# KiCad board F02-Func-Decoder-p.kicad_pcb (continued)
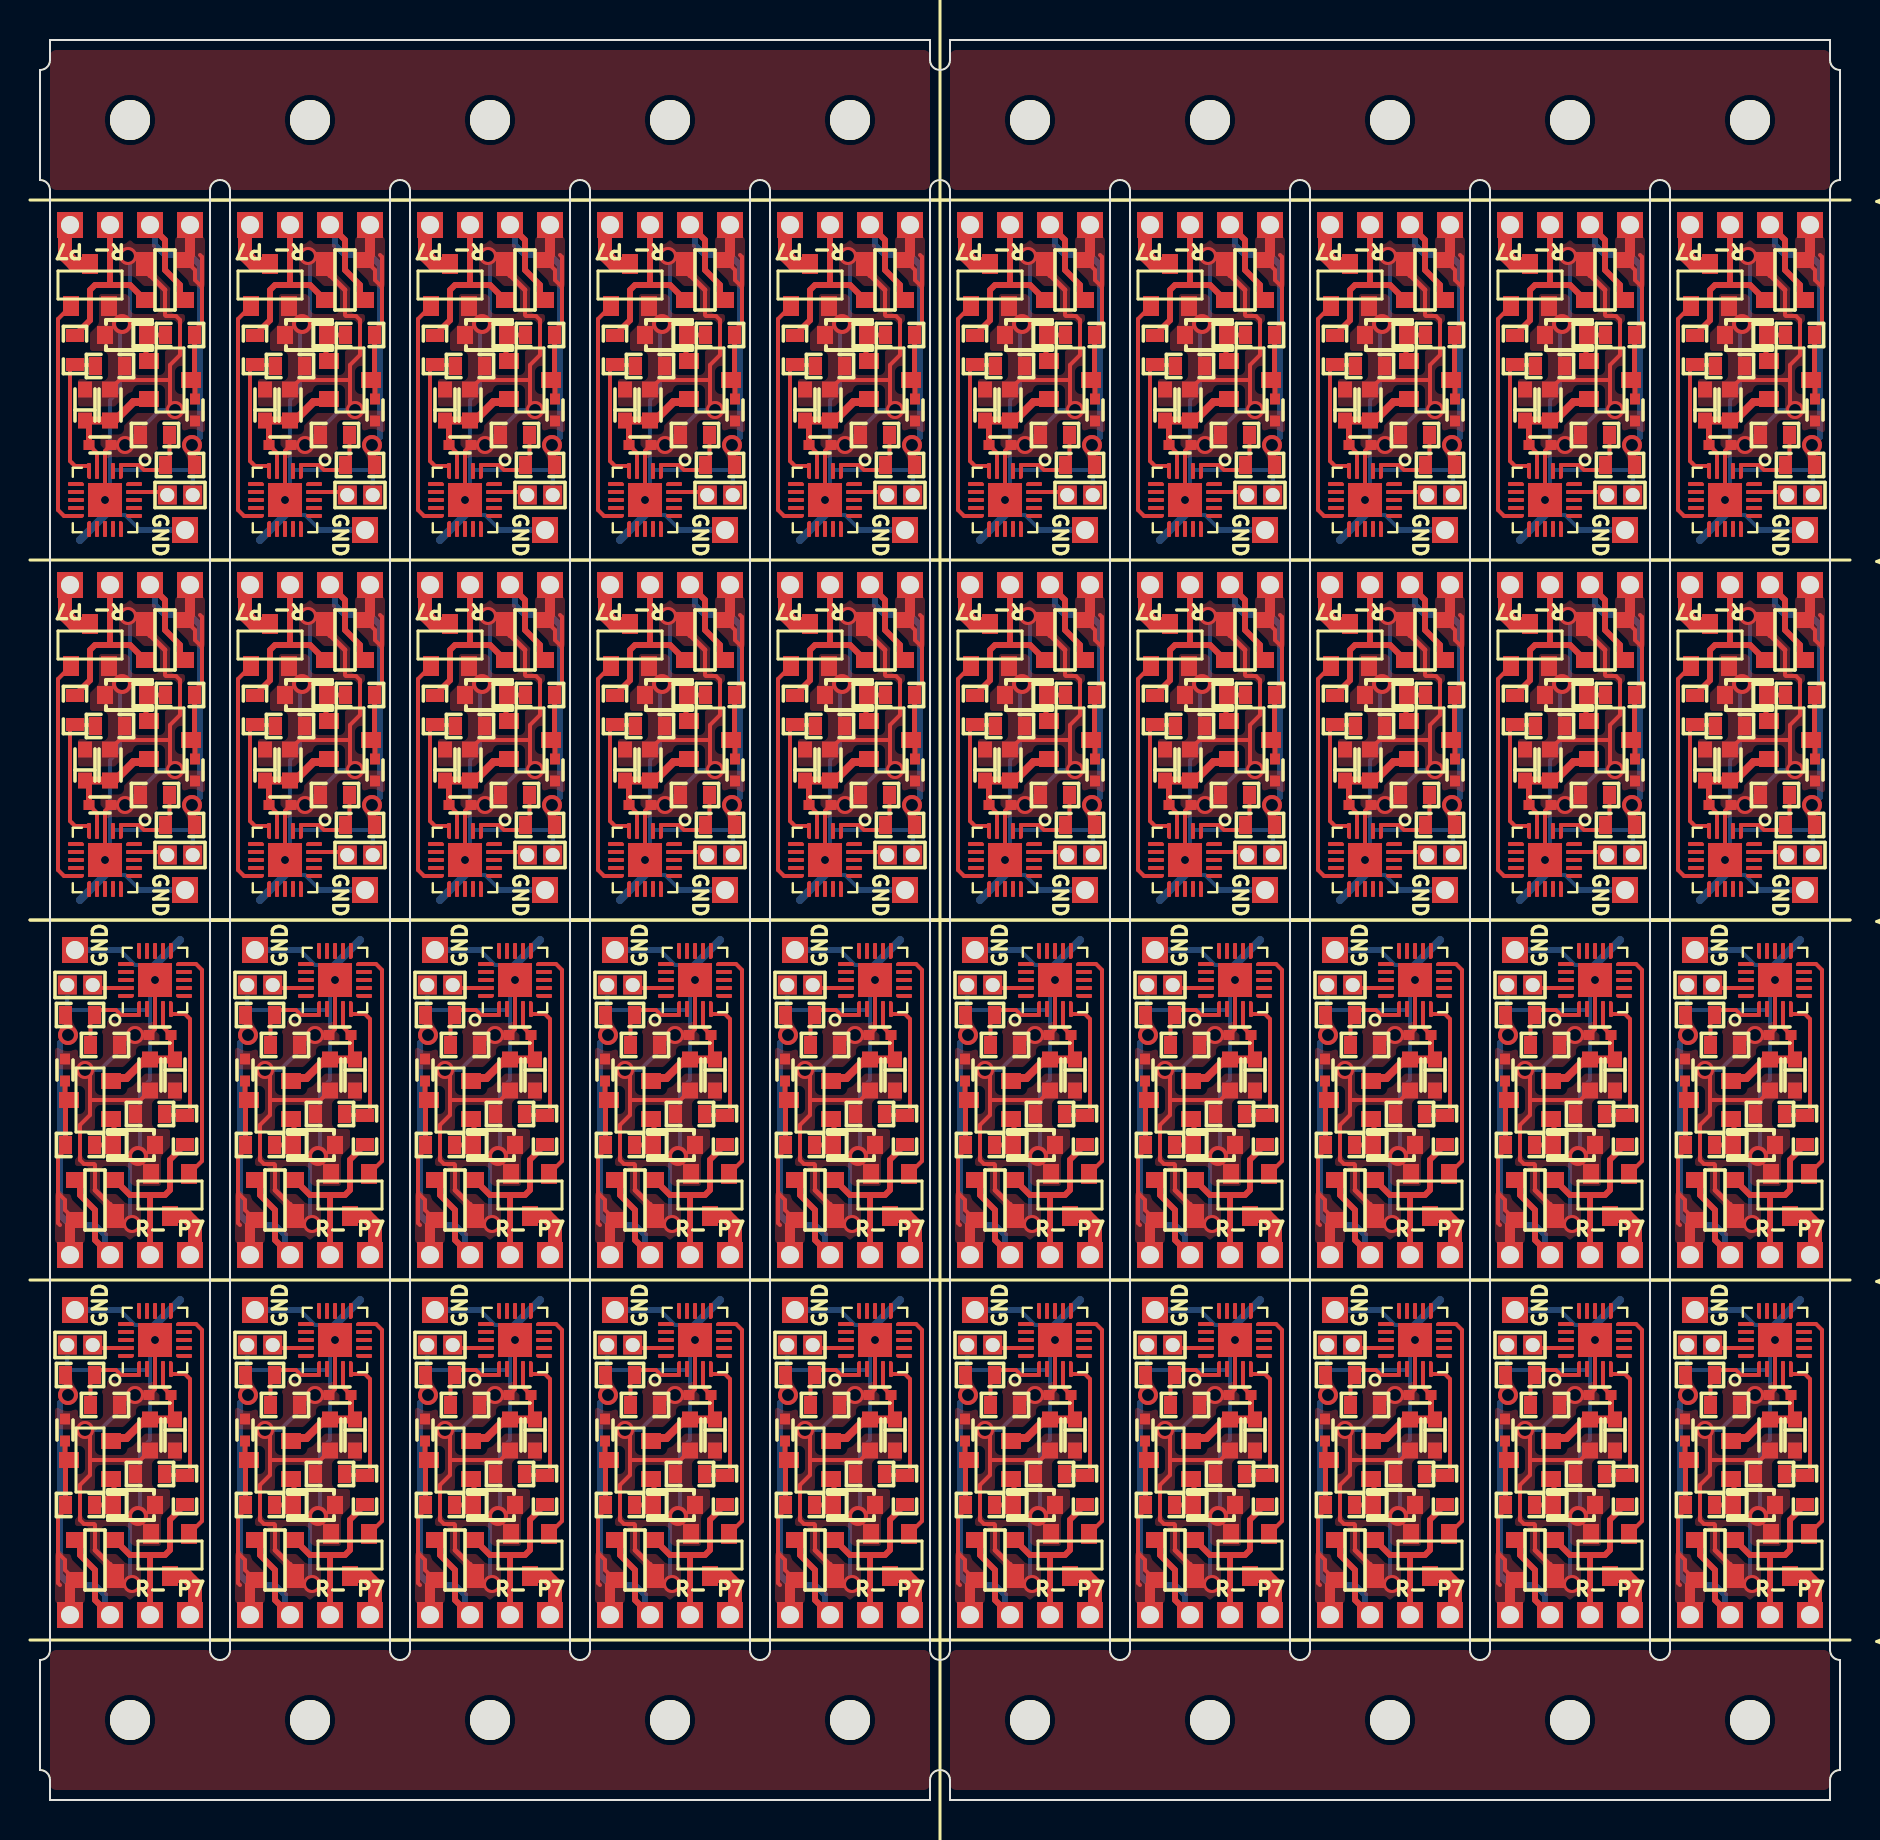
[diagram p0: board, top side]
## Routing (per net, layer and track width the routed paths; a pad name or vN(x,y) marks a point on that pad's centre or on a via; arc(x,y) is an arc through that point) (continued)
RAIL-: length 370.1
  Top w0.25: D1#28.2 86,56.75 ; D1#3.2 67,13.25 ; D1#27.2 22,31.25 ; D1#35.2 85,31.25 ; D1#11.2 59,56.75 ; D1#37.2 5,56.75 ; D1#19.2 59,74.75 ; D1#10.2 40,13.25 ; D1#16.2 76,31.25 ; D1#23.2 22,13.25 ; D1#31.2 49,31.25 ; D1#9.2 4,31.25 ; D1#22.2 23,56.75 ; D1.2 50,56.75 ; D1#5.2 5,74.75 ; D1#25.2 40,31.25 ; D1#17.2 23,74.75 ; D1#32.2 14,74.75 ; D1#36.2 68,56.75 ; D1#20.2 32,56.75 ; D1#2.2 13,31.25 ; D1#8.2 85,13.25 ; D1#7.2 50,74.75 ; D1#29.2 32,74.75 ; D1#6.2 77,56.75 ; D1#14.2 41,74.75 ; D1#34.2 31,31.25 ; D1#21.2 58,13.25 ; D1#12.2 67,31.25 ; D1#33.2 68,74.75 ; D1#39.2 77,74.75 ; D1#18.2 58,31.25 ; D1#30.2 13,13.25 ; D1#26.2 76,13.25 ; D1#24.2 14,56.75 ; D1#13.2 86,74.75 ; D1#40.2 4,13.25 ; D1#38.2 31,13.25 ; D1#15.2 41,56.75 ; D1#4.2 49,13.25
  Top w0.3: R2#13.1 43.25,32.76 42.5,32.01 42.5,30.5 42.25,30.25 41.5,30.25 ; 48.9,12.75 48.75,12.75 ; 3.9,12.75 3.75,12.75 ; 50.5,12.25 51.25,12.25 51.5,12.5 51.5,14.01 52.25,14.76 R2#8.1 ; 50.5,12.25 49.5,12.25 D1#4.2 ; 50.5,12.25 P2#36.1 ; 77.5,30.25 78.25,30.25 78.5,30.5 78.5,32.01 79.25,32.76 R2#31.1 ; 77.5,30.25 P2#11.1 ; 77.5,30.25 76.5,30.25 D1#16.2 ; 66.5,75.75 P2#34.1 ; 66.5,75.75 65.75,75.75 65.5,75.5 65.5,73.99 64.75,73.24 R2#9.1 ; 66.5,75.75 67.5,75.75 D1#33.2 ; 41.5,30.25 40.5,30.25 D1#25.2 ; 41.5,30.25 P2.1 ; 32.5,30.25 31.5,30.25 D1#34.2 ; 32.5,30.25 P2#24.1 ; 32.5,30.25 33.25,30.25 33.5,30.5 33.5,32.01 34.25,32.76 R2#5.1 ; 75.5,57.75 74.75,57.75 74.5,57.5 74.5,55.99 73.75,55.24 R2#26.1 ; 75.5,57.75 76.5,57.75 D1#6.2 ; 75.5,57.75 P2#37.1 ; 14.5,12.25 13.5,12.25 D1#30.2 ; 14.5,12.25 15.25,12.25 15.5,12.5 15.5,14.01 16.25,14.76 R2#21.1 ; 14.5,12.25 P2#6.1 ; 86.1,57.25 86.25,57.25 ; 75.5,75.75 P2#40.1 ; 75.5,75.75 74.75,75.75 74.5,75.5 74.5,73.99 73.75,73.24 R2#25.1 ; 75.5,75.75 76.5,75.75 D1#39.2 ; R2#6.1 64.75,55.24 65.5,55.99 65.5,57.5 65.75,57.75 66.5,57.75 ; D1#3.2 67.5,12.25 68.5,12.25 ; 41.5,12.25 P2#27.1 ; 41.5,12.25 42.25,12.25 42.5,12.5 42.5,14.01 43.25,14.76 R2#17.1 ; 41.5,12.25 40.5,12.25 D1#10.2 ; 57.9,12.75 57.75,12.75 ; 50.5,30.25 49.5,30.25 D1#31.2 ; 50.5,30.25 P2#8.1 ; 50.5,30.25 51.25,30.25 51.5,30.5 51.5,32.01 52.25,32.76 R2#12.1 ; 41.1,57.25 41.25,57.25 ; 77.1,57.25 77.25,57.25 ; 30.5,57.75 P2#22.1 ; 30.5,57.75 31.5,57.75 D1#20.2 ; 30.5,57.75 29.75,57.75 29.5,57.5 29.5,55.99 28.75,55.24 R2#29.1 ; 3.5,57.75 2.75,57.75 2.5,57.5 2.5,55.99 1.75,55.24 R2#15.1 ; 3.5,57.75 P2#2.1 ; 3.5,57.75 4.5,57.75 D1#37.2 ; 59.5,30.25 P2#4.1 ; 59.5,30.25 60.25,30.25 60.5,30.5 60.5,32.01 61.25,32.76 R2#35.1 ; 59.5,30.25 58.5,30.25 D1#18.2 ; 3.5,75.75 P2#30.1 ; 3.5,75.75 2.75,75.75 2.5,75.5 2.5,73.99 1.75,73.24 R2#3.1 ; 3.5,75.75 4.5,75.75 D1#5.2 ; 57.5,75.75 58.5,75.75 D1#19.2 ; 57.5,75.75 P2#38.1 ; 57.5,75.75 56.75,75.75 56.5,75.5 56.5,73.99 55.75,73.24 R2#28.1 ; R2#34.1 25.25,32.76 24.5,32.01 24.5,30.5 24.25,30.25 23.5,30.25 ; 23.5,12.25 P2#13.1 ; 23.5,12.25 22.5,12.25 D1#23.2 ; 23.5,12.25 24.25,12.25 24.5,12.5 24.5,14.01 25.25,14.76 R2#30.1 ; D1#36.2 67.5,57.75 66.5,57.75 ; 32.5,12.25 31.5,12.25 D1#38.2 ; 32.5,12.25 33.25,12.25 33.5,12.5 33.5,14.01 34.25,14.76 R2#24.1 ; 32.5,12.25 P2#29.1 ; D1#26.2 76.5,12.25 77.5,12.25 ; 84.5,75.75 85.5,75.75 D1#13.2 ; 84.5,75.75 83.75,75.75 83.5,75.5 83.5,73.99 82.75,73.24 R2#36.1 ; 84.5,75.75 P2#31.1 ; D1#14.2 40.5,75.75 39.5,75.75 ; 39.5,57.75 P2#17.1 ; 39.5,57.75 40.5,57.75 D1#15.2 ; 39.5,57.75 38.75,57.75 38.5,57.5 38.5,55.99 37.75,55.24 R2#38.1 ; 5.5,30.25 6.25,30.25 6.5,30.5 6.5,32.01 7.25,32.76 R2#23.1 ; 5.5,30.25 P2#25.1 ; 5.5,30.25 4.5,30.25 D1#9.2 ; 84.5,57.75 P2#26.1 ; 84.5,57.75 85.5,57.75 D1#28.2 ; 84.5,57.75 83.75,57.75 83.5,57.5 83.5,55.99 82.75,55.24 R2#39.1 ; R2#32.1 19.75,55.24 20.5,55.99 20.5,57.5 20.75,57.75 21.5,57.75 ; 59.1,57.25 59.25,57.25 ; D1#7.2 49.5,75.75 48.5,75.75 ; 21.5,57.75 P2#12.1 ; 21.5,57.75 22.5,57.75 D1#22.2 ; D1#29.2 31.5,75.75 30.5,75.75 ; 12.5,57.75 13.5,57.75 D1#24.2 ; 12.5,57.75 P2#32.1 ; 12.5,57.75 11.75,57.75 11.5,57.5 11.5,55.99 10.75,55.24 R2#11.1 ; R2.1 55.75,55.24 56.5,55.99 56.5,57.5 56.75,57.75 57.5,57.75 ; 86.1,75.25 86.25,75.25 ; 12.5,75.75 P2#28.1 ; 12.5,75.75 11.75,75.75 11.5,75.5 11.5,73.99 10.75,73.24 R2#40.1 ; 12.5,75.75 13.5,75.75 D1#32.2 ; 14.1,57.25 14.25,57.25 ; 14.5,30.25 P2#10.1 ; 14.5,30.25 13.5,30.25 D1#2.2 ; 14.5,30.25 15.25,30.25 15.5,30.5 15.5,32.01 16.25,32.76 R2#2.1 ; 66.5,57.75 P2#21.1 ; R2#18.1 28.75,73.24 29.5,73.99 29.5,75.5 29.75,75.75 30.5,75.75 ; 66.9,12.75 66.75,12.75 ; 68.5,30.25 P2#19.1 ; 68.5,30.25 69.25,30.25 69.5,30.5 69.5,32.01 70.25,32.76 R2#37.1 ; 68.5,30.25 67.5,30.25 D1#12.2 ; 5.5,12.25 4.5,12.25 D1#40.2 ; 5.5,12.25 6.25,12.25 6.5,12.5 6.5,14.01 7.25,14.76 R2#16.1 ; 5.5,12.25 P2#14.1 ; 30.5,75.75 P2#20.1 ; 68.5,12.25 69.25,12.25 69.5,12.5 69.5,14.01 70.25,14.76 R2#27.1 ; 68.5,12.25 P2#18.1 ; 59.1,75.25 59.25,75.25 ; 14.1,75.25 14.25,75.25 ; D1#11.2 58.5,57.75 57.5,57.75 ; 75.9,12.75 75.75,12.75 ; 86.5,12.25 P2#5.1 ; 86.5,12.25 87.25,12.25 87.5,12.5 87.5,14.01 88.25,14.76 R2#4.1 ; 86.5,12.25 85.5,12.25 D1#8.2 ; D1#17.2 22.5,75.75 21.5,75.75 ; 59.5,12.25 58.5,12.25 D1#21.2 ; 59.5,12.25 P2#7.1 ; 59.5,12.25 60.25,12.25 60.5,12.5 60.5,14.01 61.25,14.76 R2#14.1 ; 30.9,30.75 30.75,30.75 ; 39.9,30.75 39.75,30.75 ; 77.5,12.25 78.25,12.25 78.5,12.5 78.5,14.01 79.25,14.76 R2#20.1 ; 77.5,12.25 P2#3.1 ; 41.1,75.25 41.25,75.25 ; 48.5,75.75 47.75,75.75 47.5,75.5 47.5,73.99 46.75,73.24 R2#10.1 ; 48.5,75.75 P2#39.1 ; 5.1,75.25 5.25,75.25 ; 12.9,30.75 12.75,30.75 ; 39.5,75.75 P2#33.1 ; 39.5,75.75 38.75,75.75 38.5,75.5 38.5,73.99 37.75,73.24 R2#7.1 ; 23.1,75.25 23.25,75.25 ; 50.1,57.25 50.25,57.25 ; 68.1,75.25 68.25,75.25 ; 57.5,57.75 P2#35.1 ; 32.1,57.25 32.25,57.25 ; D1.2 49.5,57.75 48.5,57.75 ; 21.9,30.75 21.75,30.75 ; 21.5,75.75 P2#15.1 ; 21.5,75.75 20.75,75.75 20.5,75.5 20.5,73.99 19.75,73.24 R2#19.1 ; 39.9,12.75 39.75,12.75 ; 86.5,30.25 P2#9.1 ; 86.5,30.25 85.5,30.25 D1#35.2 ; 86.5,30.25 87.25,30.25 87.5,30.5 87.5,32.01 88.25,32.76 R2#33.1 ; 84.9,12.75 84.75,12.75 ; 5.1,57.25 5.25,57.25 ; 50.1,75.25 50.25,75.25 ; 21.9,12.75 21.75,12.75 ; 48.5,57.75 47.75,57.75 47.5,57.5 47.5,55.99 46.75,55.24 R2#22.1 ; 48.5,57.75 P2#23.1 ; 3.9,30.75 3.75,30.75 ; 66.9,30.75 66.75,30.75 ; 77.1,75.25 77.25,75.25 ; 23.5,30.25 22.5,30.25 D1#27.2 ; 23.5,30.25 P2#16.1 ; 68.1,57.25 68.25,57.25 ; 84.9,30.75 84.75,30.75 ; 32.1,75.25 32.25,75.25 ; 48.9,30.75 48.75,30.75 ; 57.9,30.75 57.75,30.75 ; 75.9,30.75 75.75,30.75 ; 23.1,57.25 23.25,57.25 ; 30.9,12.75 30.75,12.75 ; 12.9,12.75 12.75,12.75
UPDI: length 69.1
  Top w0.2: P5#29.1 78.22,65.4 U1#34.19 ; P5#18.1 51.22,47.4 U1#32.19 ; U1#10.19 29.78,22.6 P5#39.1 ; U1#23.19 65.78,40.6 P5#27.1 ; U1#38.19 47.78,40.6 P5#2.1 ; U1#40.19 69.22,47.4 P5#38.1 ; P5#3.1 15.22,47.4 U1#12.19 ; P5#13.1 15.22,65.4 U1#14.19 ; U1#13.19 38.78,22.6 P5#14.1 ; U1#29.19 87.22,65.4 P5#16.1 ; P5#15.1 51.22,65.4 U1#28.19 ; U1#26.19 6.22,65.4 P5#21.1 ; U1#17.19 74.78,40.6 P5#33.1 ; U1#20.19 56.78,22.6 P5#24.1 ; U1#4.19 11.78,40.6 P5#11.1 ; U1#24.19 2.78,40.6 P5#5.1 ; U1#18.19 60.22,65.4 P5#28.1 ; U1#30.19 11.78,22.6 P5#9.1 ; U1#19.19 69.22,65.4 P5#35.1 ; P5#26.1 33.22,47.4 U1#31.19 ; P5#8.1 33.22,65.4 U1#5.19 ; U1#8.19 56.78,40.6 P5#7.1 ; U1#2.19 83.78,22.6 P5#23.1 ; P5#32.1 87.22,47.4 U1#11.19 ; U1#36.19 20.78,22.6 P5#17.1 ; U1#3.19 47.78,22.6 P5#36.1 ; U1#27.19 2.78,22.6 P5#37.1 ; U1#15.19 24.22,65.4 P5#12.1 ; U1.19 78.22,47.4 P5#20.1 ; P5#4.1 24.22,47.4 U1#25.19 ; P5#34.1 6.22,47.4 U1#35.19 ; P5.1 83.78,40.6 U1#39.19 ; P5#30.1 29.78,40.6 U1#37.19 ; P5#25.1 42.22,65.4 U1#16.19 ; P5#40.1 42.22,47.4 U1#9.19 ; U1#22.19 20.78,40.6 P5#31.1 ; P5#22.1 60.22,47.4 U1#21.19 ; P5#10.1 38.78,40.6 U1#6.19 ; P5#19.1 65.78,22.6 U1#33.19 ; U1#7.19 74.78,22.6 P5#6.1
Net-(D2-K): length 93.5
  Top w0.25: R5#24.2 30.7,14.75 30.7,15.9 Q1#22.1 ; R5#39.2 59.3,55.25 59.3,54.1 Q1#6.1 ; Q1#4.1 66.7,15.9 66.7,14.75 R5#27.2 ; R5#17.2 14.3,73.25 14.3,72.1 Q1#8.1 ; Q1#33.1 39.7,15.9 39.7,14.75 R5#11.2 ; R5#37.2 5.3,55.25 5.3,54.1 Q1#39.1 ; Q1#3.1 21.7,33.9 21.7,32.75 R5#35.2 ; Q1#34.1 59.3,72.1 59.3,73.25 R5#16.2 ; Q1#38.1 23.3,72.1 23.3,73.25 R5#9.2 ; Q1#26.1 77.3,54.1 77.3,55.25 R5#22.2 ; Q1#15.1 39.7,33.9 39.7,32.75 R5#31.2 ; R5#19.2 84.7,14.75 84.7,15.9 Q1#35.1 ; Q1#30.1 30.7,33.9 30.7,32.75 R5#7.2 ; R5#40.2 48.7,14.75 48.7,15.9 Q1#12.1 ; Q1.1 75.7,15.9 75.7,14.75 R5#26.2 ; R5#15.2 75.7,32.75 75.7,33.9 Q1#10.1 ; R5#2.2 48.7,32.75 48.7,33.9 Q1#21.1 ; R5#14.2 86.3,73.25 86.3,72.1 Q1#20.1 ; R5#36.2 32.3,73.25 32.3,72.1 Q1#17.1 ; R5#12.2 32.3,55.25 32.3,54.1 Q1#23.1 ; R5#20.2 41.3,55.25 41.3,54.1 Q1#16.1 ; Q1#19.1 41.3,72.1 41.3,73.25 R5#23.2 ; Q1#28.1 86.3,54.1 86.3,55.25 R5#4.2 ; Q1#27.1 3.7,15.9 3.7,14.75 R5#29.2 ; Q1#29.1 84.7,33.9 84.7,32.75 R5#32.2 ; Q1#7.1 12.7,33.9 12.7,32.75 R5#3.2 ; R5#8.2 57.7,32.75 57.7,33.9 Q1#14.1 ; Q1#18.1 57.7,15.9 57.7,14.75 R5#18.2 ; R5#38.2 23.3,55.25 23.3,54.1 Q1#24.1 ; R5#25.2 68.3,55.25 68.3,54.1 Q1#2.1 ; Q1#5.1 14.3,54.1 14.3,55.25 R5#28.2 ; Q1#36.1 21.7,15.9 21.7,14.75 R5#30.2 ; Q1#13.1 12.7,15.9 12.7,14.75 R5#21.2 ; R5#33.2 77.3,73.25 77.3,72.1 Q1#9.1 ; Q1#11.1 3.7,33.9 3.7,32.75 R5.2 ; Q1#31.1 50.3,54.1 50.3,55.25 R5#10.2 ; R5#13.2 5.3,73.25 5.3,72.1 Q1#37.1 ; R5#6.2 68.3,73.25 68.3,72.1 Q1#25.1 ; R5#34.2 50.3,73.25 50.3,72.1 Q1#40.1 ; R5#5.2 66.7,32.75 66.7,33.9 Q1#32.1
Net-(J1-Pin_1): length 131.6
  Top w0.3: 37.25,78.75 37.5,79 ; 73.25,60.75 73.5,61 ; 88.75,9.25 88.5,9 ; 61.75,27.25 61.5,27 ; 79.75,9.25 79.5,9 ; 25.75,9.25 25.5,9 ; 28.25,60.75 28.5,61 ; 46.25,78.75 46.5,79 ; 16.75,27.25 16.5,27 ; 55.25,60.75 55.5,61 ; 28.25,78.75 28.5,79 ; 46.25,60.75 46.5,61 ; 25.75,27.25 25.5,27 ; 52.75,9.25 52.5,9 ; 64.25,60.75 64.5,61 ; 19.25,60.75 19.5,61 ; 64.25,78.75 64.5,79 ; 79.75,27.25 79.5,27 ; 1.25,60.75 1.5,61 ; 43.75,9.25 43.5,9 ; 55.25,78.75 55.5,79 ; 37.25,60.75 37.5,61 ; 61.75,9.25 61.5,9 ; 82.25,78.75 82.5,79 ; 16.75,9.25 16.5,9 ; 7.75,9.25 7.5,9 ; 7.75,27.25 7.5,27 ; 70.75,9.25 70.5,9 ; 82.25,60.75 82.5,61 ; 43.75,27.25 43.5,27 ; 70.75,27.25 70.5,27 ; 73.25,78.75 73.5,79 ; 10.25,78.75 10.5,79 ; 19.25,78.75 19.5,79 ; 88.75,27.25 88.5,27 ; 10.25,60.75 10.5,61 ; 34.75,27.25 34.5,27 ; 34.75,9.25 34.5,9 ; 52.75,27.25 52.5,27 ; 1.25,78.75 1.5,79
  Top w0.7: 64.25,78.75 64.25,77.25 64.7,76.8 Qe#2.3 ; Qe#28.3 88.3,29.2 88.75,28.75 88.75,27.25 ; Qe#13.3 43.3,11.2 43.75,10.75 43.75,9.25 ; Qe#39.3 52.3,29.2 52.75,28.75 52.75,27.25 ; Qe#19.3 64.7,58.8 64.25,59.25 64.25,60.75 ; 79.75,27.25 79.75,28.75 79.3,29.2 Qe#16.3 ; Qe#21.3 46.7,58.8 46.25,59.25 46.25,60.75 ; Qe#7.3 61.3,29.2 61.75,28.75 61.75,27.25 ; 37.25,78.75 37.25,77.25 37.7,76.8 Qe#17.3 ; 43.75,27.25 43.75,28.75 43.3,29.2 Qe#22.3 ; 10.25,78.75 10.25,77.25 10.7,76.8 Qe#10.3 ; 19.25,60.75 19.25,59.25 19.7,58.8 Qe#24.3 ; Qe#37.3 34.3,29.2 34.75,28.75 34.75,27.25 ; Qe#15.3 1.7,76.8 1.25,77.25 1.25,78.75 ; Qe#11.3 37.7,58.8 37.25,59.25 37.25,60.75 ; Qe#40.3 61.3,11.2 61.75,10.75 61.75,9.25 ; 73.25,60.75 73.25,59.25 73.7,58.8 Qe#38.3 ; 70.75,27.25 70.75,28.75 70.3,29.2 Qe#6.3 ; 82.25,60.75 82.25,59.25 82.7,58.8 Qe#26.3 ; Qe#36.3 79.3,11.2 79.75,10.75 79.75,9.25 ; Qe#34.3 7.3,11.2 7.75,10.75 7.75,9.25 ; Qe#31.3 46.7,76.8 46.25,77.25 46.25,78.75 ; 28.25,60.75 28.25,59.25 28.7,58.8 Qe#8.3 ; Qe#25.3 82.7,76.8 82.25,77.25 82.25,78.75 ; 16.75,9.25 16.75,10.75 16.3,11.2 Qe#5.3 ; Qe#33.3 25.3,29.2 25.75,28.75 25.75,27.25 ; 70.75,9.25 70.75,10.75 70.3,11.2 Qe#30.3 ; 16.75,27.25 16.75,28.75 16.3,29.2 Qe.3 ; 28.25,78.75 28.25,77.25 28.7,76.8 Qe#29.3 ; 25.75,9.25 25.75,10.75 25.3,11.2 Qe#18.3 ; Qe#35.3 55.7,76.8 55.25,77.25 55.25,78.75 ; 7.75,27.25 7.75,28.75 7.3,29.2 Qe#23.3 ; 52.75,9.25 52.75,10.75 52.3,11.2 Qe#3.3 ; Qe#12.3 73.7,76.8 73.25,77.25 73.25,78.75 ; Qe#32.3 1.7,58.8 1.25,59.25 1.25,60.75 ; Qe#4.3 34.3,11.2 34.75,10.75 34.75,9.25 ; Qe#9.3 88.3,11.2 88.75,10.75 88.75,9.25 ; 19.25,78.75 19.25,77.25 19.7,76.8 Qe#20.3 ; 55.25,60.75 55.25,59.25 55.7,58.8 Qe#27.3 ; Qe#14.3 10.7,58.8 10.25,59.25 10.25,60.75
Net-(U1-PA2): length 166.5
  Top w0.2: 76.95,39.25 76.05,39.25 75.8,39.5 74.72,39.5 74.53,39.3 74.53,38 ; 58.95,39.25 58.05,39.25 57.8,39.5 56.72,39.5 56.53,39.3 56.53,38 ; 38.53,20 38.53,21.3 38.72,21.5 39.8,21.5 40.05,21.25 40.95,21.25 ; 65.53,20 65.53,21.3 65.72,21.5 66.8,21.5 67.05,21.25 67.95,21.25 ; U1#29.1 85.05,66.7 ; 13.05,48.75 13.95,48.75 14.2,48.5 15.28,48.5 15.47,48.7 15.47,50 ; U1#25.1 22.05,48.7 ; 47.53,38 47.53,39.3 47.72,39.5 48.8,39.5 49.05,39.25 49.95,39.25 ; 2.53,38 2.53,39.3 2.72,39.5 3.8,39.5 4.05,39.25 4.95,39.25 ; 67.05,66.75 67.95,66.75 68.2,66.5 69.28,66.5 69.47,66.7 69.47,68 ; 20.53,38 20.53,39.3 20.72,39.5 21.8,39.5 22.05,39.25 22.95,39.25 ; 31.95,39.25 31.05,39.25 30.8,39.5 29.72,39.5 29.53,39.3 29.53,38 ; U1#16.1 40.05,66.7 ; 38.53,38 38.53,39.3 38.72,39.5 39.8,39.5 40.05,39.25 40.95,39.25 ; U1#4.1 13.95,39.3 ; U1#38.1 49.95,39.3 ; 15.47,68 15.47,66.7 15.28,66.5 14.2,66.5 13.95,66.75 13.05,66.75 ; 83.53,20 83.53,21.3 83.72,21.5 84.8,21.5 85.05,21.25 85.95,21.25 ; U1#30.1 13.95,21.3 ; 78.47,50 78.47,48.7 78.28,48.5 77.2,48.5 76.95,48.75 76.05,48.75 ; U1#8.1 58.95,39.3 ; 11.53,20 11.53,21.3 11.72,21.5 12.8,21.5 13.05,21.25 13.95,21.25 ; 74.53,20 74.53,21.3 74.72,21.5 75.8,21.5 76.05,21.25 76.95,21.25 ; U1#28.1 49.05,66.7 ; 85.95,39.25 85.05,39.25 84.8,39.5 83.72,39.5 83.53,39.3 83.53,38 ; 58.95,21.25 58.05,21.25 57.8,21.5 56.72,21.5 56.53,21.3 56.53,20 ; U1#14.1 13.05,66.7 ; U1#34.1 76.05,66.7 ; U1#9.1 40.05,48.7 ; U1#18.1 58.05,66.7 ; 33.47,50 33.47,48.7 33.28,48.5 32.2,48.5 31.95,48.75 31.05,48.75 ; U1#13.1 40.95,21.3 ; 49.95,21.25 49.05,21.25 48.8,21.5 47.72,21.5 47.53,21.3 47.53,20 ; U1#7.1 76.95,21.3 ; 60.47,50 60.47,48.7 60.28,48.5 59.2,48.5 58.95,48.75 58.05,48.75 ; 67.95,39.25 67.05,39.25 66.8,39.5 65.72,39.5 65.53,39.3 65.53,38 ; U1#2.1 85.95,21.3 ; 24.47,68 24.47,66.7 24.28,66.5 23.2,66.5 22.95,66.75 22.05,66.75 ; U1#39.1 85.95,39.3 ; 31.95,21.25 31.05,21.25 30.8,21.5 29.72,21.5 29.53,21.3 29.53,20 ; 42.47,68 42.47,66.7 42.28,66.5 41.2,66.5 40.95,66.75 40.05,66.75 ; 76.05,66.75 76.95,66.75 77.2,66.5 78.28,66.5 78.47,66.7 78.47,68 ; 20.53,20 20.53,21.3 20.72,21.5 21.8,21.5 22.05,21.25 22.95,21.25 ; U1#40.1 67.05,48.7 ; U1#3.1 49.95,21.3 ; 87.47,50 87.47,48.7 87.28,48.5 86.2,48.5 85.95,48.75 85.05,48.75 ; 4.05,48.75 4.95,48.75 5.2,48.5 6.28,48.5 6.47,48.7 6.47,50 ; U1#15.1 22.05,66.7 ; 49.05,66.75 49.95,66.75 50.2,66.5 51.28,66.5 51.47,66.7 51.47,68 ; U1#21.1 58.05,48.7 ; U1#19.1 67.05,66.7 ; 13.95,39.25 13.05,39.25 12.8,39.5 11.72,39.5 11.53,39.3 11.53,38 ; U1#12.1 13.05,48.7 ; 69.47,50 69.47,48.7 69.28,48.5 68.2,48.5 67.95,48.75 67.05,48.75 ; 58.05,66.75 58.95,66.75 59.2,66.5 60.28,66.5 60.47,66.7 60.47,68 ; U1#26.1 4.05,66.7 ; U1#32.1 49.05,48.7 ; 40.05,48.75 40.95,48.75 41.2,48.5 42.28,48.5 42.47,48.7 42.47,50 ; U1#6.1 40.95,39.3 ; 2.53,20 2.53,21.3 2.72,21.5 3.8,21.5 4.05,21.25 4.95,21.25 ; U1#24.1 4.95,39.3 ; U1#11.1 85.05,48.7 ; 49.05,48.75 49.95,48.75 50.2,48.5 51.28,48.5 51.47,48.7 51.47,50 ; U1#33.1 67.95,21.3 ; 6.47,68 6.47,66.7 6.28,66.5 5.2,66.5 4.95,66.75 4.05,66.75 ; 85.05,66.75 85.95,66.75 86.2,66.5 87.28,66.5 87.47,66.7 87.47,68 ; U1#23.1 67.95,39.3 ; U1#36.1 22.95,21.3 ; U1#31.1 31.05,48.7 ; 24.47,50 24.47,48.7 24.28,48.5 23.2,48.5 22.95,48.75 22.05,48.75 ; U1#35.1 4.05,48.7 ; U1#27.1 4.95,21.3 ; U1#5.1 31.05,66.7 ; U1#10.1 31.95,21.3 ; U1#37.1 31.95,39.3 ; U1#20.1 58.95,21.3 ; U1#17.1 76.95,39.3 ; U1.1 76.05,48.7 ; U1#22.1 22.95,39.3 ; 31.05,66.75 31.95,66.75 32.2,66.5 33.28,66.5 33.47,66.7 33.47,68
Net-(U1-PA4): length 285.1
  Top w0.2: 11.78,71.75 10.5,71.75 10.5,66.95 10.75,66.7 11.45,66.7 ; 56.78,71.75 55.5,71.75 55.5,66.95 55.75,66.7 56.45,66.7 ; 65.45,66.7 64.75,66.7 64.5,66.95 64.5,71.75 65.78,71.75 ; 78.55,21.3 79.25,21.3 79.5,21.05 79.5,16.25 78.22,16.25 ; 6.22,16.25 7.5,16.25 7.5,21.05 7.25,21.3 6.55,21.3 ; 87.22,34.25 88.5,34.25 88.5,39.05 88.25,39.3 87.55,39.3 ; 24.22,16.25 25.5,16.25 25.5,21.05 25.25,21.3 24.55,21.3 ; 29.78,53.75 28.5,53.75 28.5,48.95 28.75,48.7 29.45,48.7 ; 33.55,21.3 34.25,21.3 34.5,21.05 34.5,16.25 33.22,16.25 ; 15.55,39.3 16.25,39.3 16.5,39.05 16.5,34.25 15.22,34.25 ; 6.22,34.25 7.5,34.25 7.5,39.05 7.25,39.3 6.55,39.3 ; 60.55,39.3 61.25,39.3 61.5,39.05 61.5,34.25 60.22,34.25 ; 20.45,66.7 19.75,66.7 19.5,66.95 19.5,71.75 20.78,71.75 ; 51.22,16.25 52.5,16.25 52.5,21.05 52.25,21.3 51.55,21.3 ; 42.22,34.25 43.5,34.25 43.5,39.05 43.25,39.3 42.55,39.3 ; 15.22,16.25 16.5,16.25 16.5,21.05 16.25,21.3 15.55,21.3 ; 56.78,53.75 55.5,53.75 55.5,48.95 55.75,48.7 56.45,48.7 ; 83.78,71.75 82.5,71.75 82.5,66.95 82.75,66.7 83.45,66.7 ; 38.45,66.7 37.75,66.7 37.5,66.95 37.5,71.75 38.78,71.75 ; 11.45,48.7 10.75,48.7 10.5,48.95 10.5,53.75 11.78,53.75 ; 2.45,48.7 1.75,48.7 1.5,48.95 1.5,53.75 2.78,53.75 ; 24.55,39.3 25.25,39.3 25.5,39.05 25.5,34.25 24.22,34.25 ; 69.55,39.3 70.25,39.3 70.5,39.05 70.5,34.25 69.22,34.25 ; 83.45,48.7 82.75,48.7 82.5,48.95 82.5,53.75 83.78,53.75 ; 65.78,53.75 64.5,53.75 64.5,48.95 64.75,48.7 65.45,48.7 ; 69.22,16.25 70.5,16.25 70.5,21.05 70.25,21.3 69.55,21.3 ; 33.55,39.3 34.25,39.3 34.5,39.05 34.5,34.25 33.22,34.25 ; 42.22,16.25 43.5,16.25 43.5,21.05 43.25,21.3 42.55,21.3 ; 74.78,71.75 73.5,71.75 73.5,66.95 73.75,66.7 74.45,66.7 ; 60.55,21.3 61.25,21.3 61.5,21.05 61.5,16.25 60.22,16.25 ; 87.22,16.25 88.5,16.25 88.5,21.05 88.25,21.3 87.55,21.3 ; 74.78,53.75 73.5,53.75 73.5,48.95 73.75,48.7 74.45,48.7 ; 78.22,34.25 79.5,34.25 79.5,39.05 79.25,39.3 78.55,39.3 ; 47.78,71.75 46.5,71.75 46.5,66.95 46.75,66.7 47.45,66.7 ; 47.78,53.75 46.5,53.75 46.5,48.95 46.75,48.7 47.45,48.7 ; 29.78,71.75 28.5,71.75 28.5,66.95 28.75,66.7 29.45,66.7 ; 38.45,48.7 37.75,48.7 37.5,48.95 37.5,53.75 38.78,53.75 ; 51.22,34.25 52.5,34.25 52.5,39.05 52.25,39.3 51.55,39.3 ; 2.78,71.75 1.5,71.75 1.5,66.95 1.75,66.7 2.45,66.7 ; 20.78,53.75 19.5,53.75 19.5,48.95 19.75,48.7 20.45,48.7

## Copper pours and planes (outline as drawn; the poured copper is in the pictures)
+12V on Top: 89.25,75.5 87.75,75.5 87.75,78.25 89.25,78.25
+12V on Top: 8.25,57.5 6.75,57.5 6.75,60.25 8.25,60.25
+12V on Top: 26.25,75.5 24.75,75.5 24.75,78.25 26.25,78.25
+12V on Top: 8.25,75.5 6.75,75.5 6.75,78.25 8.25,78.25
+12V on Top: 18.75,12.5 20.25,12.5 20.25,9.75 18.75,9.75
+12V on Top: 44.25,75.5 42.75,75.5 42.75,78.25 44.25,78.25
+12V on Top: 35.25,57.5 33.75,57.5 33.75,60.25 35.25,60.25
+12V on Top: 27.75,30.5 29.25,30.5 29.25,27.75 27.75,27.75
+12V on Top: 9.75,30.5 11.25,30.5 11.25,27.75 9.75,27.75
+12V on Top: 89.25,57.5 87.75,57.5 87.75,60.25 89.25,60.25
+12V on Top: 63.75,12.5 65.25,12.5 65.25,9.75 63.75,9.75
+12V on Top: 72.75,12.5 74.25,12.5 74.25,9.75 72.75,9.75
+12V on Top: 45.75,12.5 47.25,12.5 47.25,9.75 45.75,9.75
+12V on Top: 72.75,30.5 74.25,30.5 74.25,27.75 72.75,27.75
+12V on Top: 81.75,12.5 83.25,12.5 83.25,9.75 81.75,9.75
+12V on Top: 81.75,30.5 83.25,30.5 83.25,27.75 81.75,27.75
+12V on Top: 9.75,12.5 11.25,12.5 11.25,9.75 9.75,9.75
+12V on Top: 26.25,57.5 24.75,57.5 24.75,60.25 26.25,60.25
+12V on Top: 71.25,57.5 69.75,57.5 69.75,60.25 71.25,60.25
+12V on Top: 36.75,30.5 38.25,30.5 38.25,27.75 36.75,27.75
+12V on Top: 44.25,57.5 42.75,57.5 42.75,60.25 44.25,60.25
+12V on Top: 17.25,57.5 15.75,57.5 15.75,60.25 17.25,60.25
+12V on Top: 0.75,30.5 2.25,30.5 2.25,27.75 0.75,27.75
+12V on Top: 62.25,57.5 60.75,57.5 60.75,60.25 62.25,60.25
+12V on Top: 36.75,12.5 38.25,12.5 38.25,9.75 36.75,9.75
+12V on Top: 54.75,12.5 56.25,12.5 56.25,9.75 54.75,9.75
+12V on Top: 62.25,75.5 60.75,75.5 60.75,78.25 62.25,78.25
+12V on Top: 63.75,30.5 65.25,30.5 65.25,27.75 63.75,27.75
+12V on Top: 27.75,12.5 29.25,12.5 29.25,9.75 27.75,9.75
+12V on Top: 35.25,75.5 33.75,75.5 33.75,78.25 35.25,78.25
+12V on Top: 54.75,30.5 56.25,30.5 56.25,27.75 54.75,27.75
+12V on Top: 80.25,57.5 78.75,57.5 78.75,60.25 80.25,60.25
+12V on Top: 18.75,30.5 20.25,30.5 20.25,27.75 18.75,27.75
+12V on Top: 17.25,75.5 15.75,75.5 15.75,78.25 17.25,78.25
+12V on Top: 71.25,75.5 69.75,75.5 69.75,78.25 71.25,78.25
+12V on Top: 45.75,30.5 47.25,30.5 47.25,27.75 45.75,27.75
+12V on Top: 53.25,57.5 51.75,57.5 51.75,60.25 53.25,60.25
+12V on Top: 80.25,75.5 78.75,75.5 78.75,78.25 80.25,78.25
+12V on Top: 53.25,75.5 51.75,75.5 51.75,78.25 53.25,78.25
+12V on Top: 0.75,12.5 2.25,12.5 2.25,9.75 0.75,9.75
GND on Top: 25.25,56.5 25.25,53.25 26.25,53.25 26.25,52.5 25.75,52.5 25.75,52 26.25,52 26.25,49 18.75,49 18.75,49.75 19.25,49.75 19.25,51 18.75,51 18.75,53.05 20.5,53.05 20.5,57.75 18.75,57.75 18.75,61.75 26.25,61.75 26.25,56.5
GND on Top: 52.25,74.5 52.25,71.25 53.25,71.25 53.25,70.5 52.75,70.5 52.75,70 53.25,70 53.25,67 45.75,67 45.75,67.75 46.25,67.75 46.25,69 45.75,69 45.75,71.05 47.5,71.05 47.5,75.75 45.75,75.75 45.75,79.75 53.25,79.75 53.25,74.5
GND on Top: 82.75,31.5 82.75,34.75 81.75,34.75 81.75,35.5 82.25,35.5 82.25,36 81.75,36 81.75,39 89.25,39 89.25,38.25 88.75,38.25 88.75,37 89.25,37 89.25,34.95 87.5,34.95 87.5,30.25 89.25,30.25 89.25,26.25 81.75,26.25 81.75,31.5
GND on Top: 46.75,13.5 46.75,16.75 45.75,16.75 45.75,17.5 46.25,17.5 46.25,18 45.75,18 45.75,21 53.25,21 53.25,20.25 52.75,20.25 52.75,19 53.25,19 53.25,16.95 51.5,16.95 51.5,12.25 53.25,12.25 53.25,8.25 45.75,8.25 45.75,13.5
GND on Top: 37.75,31.5 37.75,34.75 36.75,34.75 36.75,35.5 37.25,35.5 37.25,36 36.75,36 36.75,39 44.25,39 44.25,38.25 43.75,38.25 43.75,37 44.25,37 44.25,34.95 42.5,34.95 42.5,30.25 44.25,30.25 44.25,26.25 36.75,26.25 36.75,31.5
GND on Top: 28.75,31.5 28.75,34.75 27.75,34.75 27.75,35.5 28.25,35.5 28.25,36 27.75,36 27.75,39 35.25,39 35.25,38.25 34.75,38.25 34.75,37 35.25,37 35.25,34.95 33.5,34.95 33.5,30.25 35.25,30.25 35.25,26.25 27.75,26.25 27.75,31.5
GND on Top: 37.75,13.5 37.75,16.75 36.75,16.75 36.75,17.5 37.25,17.5 37.25,18 36.75,18 36.75,21 44.25,21 44.25,20.25 43.75,20.25 43.75,19 44.25,19 44.25,16.95 42.5,16.95 42.5,12.25 44.25,12.25 44.25,8.25 36.75,8.25 36.75,13.5
GND on Top: 19.75,13.5 19.75,16.75 18.75,16.75 18.75,17.5 19.25,17.5 19.25,18 18.75,18 18.75,21 26.25,21 26.25,20.25 25.75,20.25 25.75,19 26.25,19 26.25,16.95 24.5,16.95 24.5,12.25 26.25,12.25 26.25,8.25 18.75,8.25 18.75,13.5
GND on Top: 73.75,31.5 73.75,34.75 72.75,34.75 72.75,35.5 73.25,35.5 73.25,36 72.75,36 72.75,39 80.25,39 80.25,38.25 79.75,38.25 79.75,37 80.25,37 80.25,34.95 78.5,34.95 78.5,30.25 80.25,30.25 80.25,26.25 72.75,26.25 72.75,31.5
GND on Top: 82.75,13.5 82.75,16.75 81.75,16.75 81.75,17.5 82.25,17.5 82.25,18 81.75,18 81.75,21 89.25,21 89.25,20.25 88.75,20.25 88.75,19 89.25,19 89.25,16.95 87.5,16.95 87.5,12.25 89.25,12.25 89.25,8.25 81.75,8.25 81.75,13.5
GND on Top: 43.25,74.5 43.25,71.25 44.25,71.25 44.25,70.5 43.75,70.5 43.75,70 44.25,70 44.25,67 36.75,67 36.75,67.75 37.25,67.75 37.25,69 36.75,69 36.75,71.05 38.5,71.05 38.5,75.75 36.75,75.75 36.75,79.75 44.25,79.75 44.25,74.5
GND on Top: 55.75,13.5 55.75,16.75 54.75,16.75 54.75,17.5 55.25,17.5 55.25,18 54.75,18 54.75,21 62.25,21 62.25,20.25 61.75,20.25 61.75,19 62.25,19 62.25,16.95 60.5,16.95 60.5,12.25 62.25,12.25 62.25,8.25 54.75,8.25 54.75,13.5
GND on Top: 10.75,13.5 10.75,16.75 9.75,16.75 9.75,17.5 10.25,17.5 10.25,18 9.75,18 9.75,21 17.25,21 17.25,20.25 16.75,20.25 16.75,19 17.25,19 17.25,16.95 15.5,16.95 15.5,12.25 17.25,12.25 17.25,8.25 9.75,8.25 9.75,13.5
GND on Top: 79.25,56.5 79.25,53.25 80.25,53.25 80.25,52.5 79.75,52.5 79.75,52 80.25,52 80.25,49 72.75,49 72.75,49.75 73.25,49.75 73.25,51 72.75,51 72.75,53.05 74.5,53.05 74.5,57.75 72.75,57.75 72.75,61.75 80.25,61.75 80.25,56.5
GND on Top: 52.25,56.5 52.25,53.25 53.25,53.25 53.25,52.5 52.75,52.5 52.75,52 53.25,52 53.25,49 45.75,49 45.75,49.75 46.25,49.75 46.25,51 45.75,51 45.75,53.05 47.5,53.05 47.5,57.75 45.75,57.75 45.75,61.75 53.25,61.75 53.25,56.5
GND on Top: 1.75,13.5 1.75,16.75 0.75,16.75 0.75,17.5 1.25,17.5 1.25,18 0.75,18 0.75,21 8.25,21 8.25,20.25 7.75,20.25 7.75,19 8.25,19 8.25,16.95 6.5,16.95 6.5,12.25 8.25,12.25 8.25,8.25 0.75,8.25 0.75,13.5
GND on Top: 70.25,56.5 70.25,53.25 71.25,53.25 71.25,52.5 70.75,52.5 70.75,52 71.25,52 71.25,49 63.75,49 63.75,49.75 64.25,49.75 64.25,51 63.75,51 63.75,53.05 65.5,53.05 65.5,57.75 63.75,57.75 63.75,61.75 71.25,61.75 71.25,56.5
GND on Top: 7.25,56.5 7.25,53.25 8.25,53.25 8.25,52.5 7.75,52.5 7.75,52 8.25,52 8.25,49 0.75,49 0.75,49.75 1.25,49.75 1.25,51 0.75,51 0.75,53.05 2.5,53.05 2.5,57.75 0.75,57.75 0.75,61.75 8.25,61.75 8.25,56.5
GND on Top: 79.25,74.5 79.25,71.25 80.25,71.25 80.25,70.5 79.75,70.5 79.75,70 80.25,70 80.25,67 72.75,67 72.75,67.75 73.25,67.75 73.25,69 72.75,69 72.75,71.05 74.5,71.05 74.5,75.75 72.75,75.75 72.75,79.75 80.25,79.75 80.25,74.5
GND on Top: 25.25,74.5 25.25,71.25 26.25,71.25 26.25,70.5 25.75,70.5 25.75,70 26.25,70 26.25,67 18.75,67 18.75,67.75 19.25,67.75 19.25,69 18.75,69 18.75,71.05 20.5,71.05 20.5,75.75 18.75,75.75 18.75,79.75 26.25,79.75 26.25,74.5
GND on Top: 55.75,31.5 55.75,34.75 54.75,34.75 54.75,35.5 55.25,35.5 55.25,36 54.75,36 54.75,39 62.25,39 62.25,38.25 61.75,38.25 61.75,37 62.25,37 62.25,34.95 60.5,34.95 60.5,30.25 62.25,30.25 62.25,26.25 54.75,26.25 54.75,31.5
GND on Top: 7.25,74.5 7.25,71.25 8.25,71.25 8.25,70.5 7.75,70.5 7.75,70 8.25,70 8.25,67 0.75,67 0.75,67.75 1.25,67.75 1.25,69 0.75,69 0.75,71.05 2.5,71.05 2.5,75.75 0.75,75.75 0.75,79.75 8.25,79.75 8.25,74.5
GND on Top: 88.25,74.5 88.25,71.25 89.25,71.25 89.25,70.5 88.75,70.5 88.75,70 89.25,70 89.25,67 81.75,67 81.75,67.75 82.25,67.75 82.25,69 81.75,69 81.75,71.05 83.5,71.05 83.5,75.75 81.75,75.75 81.75,79.75 89.25,79.75 89.25,74.5
GND on Top: 16.25,74.5 16.25,71.25 17.25,71.25 17.25,70.5 16.75,70.5 16.75,70 17.25,70 17.25,67 9.75,67 9.75,67.75 10.25,67.75 10.25,69 9.75,69 9.75,71.05 11.5,71.05 11.5,75.75 9.75,75.75 9.75,79.75 17.25,79.75 17.25,74.5
GND on Top: 88.25,56.5 88.25,53.25 89.25,53.25 89.25,52.5 88.75,52.5 88.75,52 89.25,52 89.25,49 81.75,49 81.75,49.75 82.25,49.75 82.25,51 81.75,51 81.75,53.05 83.5,53.05 83.5,57.75 81.75,57.75 81.75,61.75 89.25,61.75 89.25,56.5
GND on Top: 73.75,13.5 73.75,16.75 72.75,16.75 72.75,17.5 73.25,17.5 73.25,18 72.75,18 72.75,21 80.25,21 80.25,20.25 79.75,20.25 79.75,19 80.25,19 80.25,16.95 78.5,16.95 78.5,12.25 80.25,12.25 80.25,8.25 72.75,8.25 72.75,13.5
GND on Top: 28.75,13.5 28.75,16.75 27.75,16.75 27.75,17.5 28.25,17.5 28.25,18 27.75,18 27.75,21 35.25,21 35.25,20.25 34.75,20.25 34.75,19 35.25,19 35.25,16.95 33.5,16.95 33.5,12.25 35.25,12.25 35.25,8.25 27.75,8.25 27.75,13.5
GND on Top: 43.25,56.5 43.25,53.25 44.25,53.25 44.25,52.5 43.75,52.5 43.75,52 44.25,52 44.25,49 36.75,49 36.75,49.75 37.25,49.75 37.25,51 36.75,51 36.75,53.05 38.5,53.05 38.5,57.75 36.75,57.75 36.75,61.75 44.25,61.75 44.25,56.5
GND on Top: 16.25,56.5 16.25,53.25 17.25,53.25 17.25,52.5 16.75,52.5 16.75,52 17.25,52 17.25,49 9.75,49 9.75,49.75 10.25,49.75 10.25,51 9.75,51 9.75,53.05 11.5,53.05 11.5,57.75 9.75,57.75 9.75,61.75 17.25,61.75 17.25,56.5
GND on Top: 34.25,56.5 34.25,53.25 35.25,53.25 35.25,52.5 34.75,52.5 34.75,52 35.25,52 35.25,49 27.75,49 27.75,49.75 28.25,49.75 28.25,51 27.75,51 27.75,53.05 29.5,53.05 29.5,57.75 27.75,57.75 27.75,61.75 35.25,61.75 35.25,56.5
GND on Top: 61.25,74.5 61.25,71.25 62.25,71.25 62.25,70.5 61.75,70.5 61.75,70 62.25,70 62.25,67 54.75,67 54.75,67.75 55.25,67.75 55.25,69 54.75,69 54.75,71.05 56.5,71.05 56.5,75.75 54.75,75.75 54.75,79.75 62.25,79.75 62.25,74.5
GND on Top: 10.75,31.5 10.75,34.75 9.75,34.75 9.75,35.5 10.25,35.5 10.25,36 9.75,36 9.75,39 17.25,39 17.25,38.25 16.75,38.25 16.75,37 17.25,37 17.25,34.95 15.5,34.95 15.5,30.25 17.25,30.25 17.25,26.25 9.75,26.25 9.75,31.5
GND on Top: 61.25,56.5 61.25,53.25 62.25,53.25 62.25,52.5 61.75,52.5 61.75,52 62.25,52 62.25,49 54.75,49 54.75,49.75 55.25,49.75 55.25,51 54.75,51 54.75,53.05 56.5,53.05 56.5,57.75 54.75,57.75 54.75,61.75 62.25,61.75 62.25,56.5
GND on Top: 64.75,31.5 64.75,34.75 63.75,34.75 63.75,35.5 64.25,35.5 64.25,36 63.75,36 63.75,39 71.25,39 71.25,38.25 70.75,38.25 70.75,37 71.25,37 71.25,34.95 69.5,34.95 69.5,30.25 71.25,30.25 71.25,26.25 63.75,26.25 63.75,31.5
GND on Top: 46.75,31.5 46.75,34.75 45.75,34.75 45.75,35.5 46.25,35.5 46.25,36 45.75,36 45.75,39 53.25,39 53.25,38.25 52.75,38.25 52.75,37 53.25,37 53.25,34.95 51.5,34.95 51.5,30.25 53.25,30.25 53.25,26.25 45.75,26.25 45.75,31.5
GND on Top: 34.25,74.5 34.25,71.25 35.25,71.25 35.25,70.5 34.75,70.5 34.75,70 35.25,70 35.25,67 27.75,67 27.75,67.75 28.25,67.75 28.25,69 27.75,69 27.75,71.05 29.5,71.05 29.5,75.75 27.75,75.75 27.75,79.75 35.25,79.75 35.25,74.5
GND on Top: 64.75,13.5 64.75,16.75 63.75,16.75 63.75,17.5 64.25,17.5 64.25,18 63.75,18 63.75,21 71.25,21 71.25,20.25 70.75,20.25 70.75,19 71.25,19 71.25,16.95 69.5,16.95 69.5,12.25 71.25,12.25 71.25,8.25 63.75,8.25 63.75,13.5
GND on Top: 1.75,31.5 1.75,34.75 0.75,34.75 0.75,35.5 1.25,35.5 1.25,36 0.75,36 0.75,39 8.25,39 8.25,38.25 7.75,38.25 7.75,37 8.25,37 8.25,34.95 6.5,34.95 6.5,30.25 8.25,30.25 8.25,26.25 0.75,26.25 0.75,31.5
GND on Top: 19.75,31.5 19.75,34.75 18.75,34.75 18.75,35.5 19.25,35.5 19.25,36 18.75,36 18.75,39 26.25,39 26.25,38.25 25.75,38.25 25.75,37 26.25,37 26.25,34.95 24.5,34.95 24.5,30.25 26.25,30.25 26.25,26.25 18.75,26.25 18.75,31.5
GND on Top: 70.25,74.5 70.25,71.25 71.25,71.25 71.25,70.5 70.75,70.5 70.75,70 71.25,70 71.25,67 63.75,67 63.75,67.75 64.25,67.75 64.25,69 63.75,69 63.75,71.05 65.5,71.05 65.5,75.75 63.75,75.75 63.75,79.75 71.25,79.75 71.25,74.5
GND on Bottom: 74.75,42 72.75,42 72.75,26.25 80.25,26.25 80.25,43.75 74.75,43.75
GND on Bottom: 15.25,46 17.25,46 17.25,61.75 9.75,61.75 9.75,44.25 15.25,44.25
GND on Bottom: 60.25,46 62.25,46 62.25,61.75 54.75,61.75 54.75,44.25 60.25,44.25
GND on Bottom: 6.25,64 8.25,64 8.25,79.75 0.75,79.75 0.75,62.25 6.25,62.25
GND on Bottom: 2.75,24 0.75,24 0.75,8.25 8.25,8.25 8.25,25.75 2.75,25.75
GND on Bottom: 83.75,42 81.75,42 81.75,26.25 89.25,26.25 89.25,43.75 83.75,43.75
GND on Bottom: 33.25,64 35.25,64 35.25,79.75 27.75,79.75 27.75,62.25 33.25,62.25
GND on Bottom: 78.25,46 80.25,46 80.25,61.75 72.75,61.75 72.75,44.25 78.25,44.25
GND on Bottom: 42.25,64 44.25,64 44.25,79.75 36.75,79.75 36.75,62.25 42.25,62.25
GND on Bottom: 56.75,42 54.75,42 54.75,26.25 62.25,26.25 62.25,43.75 56.75,43.75
GND on Bottom: 56.75,24 54.75,24 54.75,8.25 62.25,8.25 62.25,25.75 56.75,25.75
GND on Bottom: 87.25,46 89.25,46 89.25,61.75 81.75,61.75 81.75,44.25 87.25,44.25
GND on Bottom: 20.75,42 18.75,42 18.75,26.25 26.25,26.25 26.25,43.75 20.75,43.75
GND on Bottom: 87.25,64 89.25,64 89.25,79.75 81.75,79.75 81.75,62.25 87.25,62.25
GND on Bottom: 42.25,46 44.25,46 44.25,61.75 36.75,61.75 36.75,44.25 42.25,44.25
GND on Bottom: 51.25,46 53.25,46 53.25,61.75 45.75,61.75 45.75,44.25 51.25,44.25
GND on Bottom: 47.75,42 45.75,42 45.75,26.25 53.25,26.25 53.25,43.75 47.75,43.75
GND on Bottom: 74.75,24 72.75,24 72.75,8.25 80.25,8.25 80.25,25.75 74.75,25.75
GND on Bottom: 24.25,64 26.25,64 26.25,79.75 18.75,79.75 18.75,62.25 24.25,62.25
GND on Bottom: 69.25,64 71.25,64 71.25,79.75 63.75,79.75 63.75,62.25 69.25,62.25
GND on Bottom: 29.75,24 27.75,24 27.75,8.25 35.25,8.25 35.25,25.75 29.75,25.75
GND on Bottom: 11.75,42 9.75,42 9.75,26.25 17.25,26.25 17.25,43.75 11.75,43.75
GND on Bottom: 33.25,46 35.25,46 35.25,61.75 27.75,61.75 27.75,44.25 33.25,44.25
GND on Bottom: 78.25,64 80.25,64 80.25,79.75 72.75,79.75 72.75,62.25 78.25,62.25
GND on Bottom: 20.75,24 18.75,24 18.75,8.25 26.25,8.25 26.25,25.75 20.75,25.75
GND on Bottom: 38.75,24 36.75,24 36.75,8.25 44.25,8.25 44.25,25.75 38.75,25.75
GND on Bottom: 60.25,64 62.25,64 62.25,79.75 54.75,79.75 54.75,62.25 60.25,62.25
GND on Bottom: 65.75,24 63.75,24 63.75,8.25 71.25,8.25 71.25,25.75 65.75,25.75
GND on Bottom: 65.75,42 63.75,42 63.75,26.25 71.25,26.25 71.25,43.75 65.75,43.75
GND on Bottom: 2.75,42 0.75,42 0.75,26.25 8.25,26.25 8.25,43.75 2.75,43.75
GND on Bottom: 83.75,24 81.75,24 81.75,8.25 89.25,8.25 89.25,25.75 83.75,25.75
GND on Bottom: 24.25,46 26.25,46 26.25,61.75 18.75,61.75 18.75,44.25 24.25,44.25
GND on Bottom: 47.75,24 45.75,24 45.75,8.25 53.25,8.25 53.25,25.75 47.75,25.75
GND on Bottom: 29.75,42 27.75,42 27.75,26.25 35.25,26.25 35.25,43.75 29.75,43.75
GND on Bottom: 69.25,46 71.25,46 71.25,61.75 63.75,61.75 63.75,44.25 69.25,44.25
GND on Bottom: 11.75,24 9.75,24 9.75,8.25 17.25,8.25 17.25,25.75 11.75,25.75
GND on Bottom: 6.25,46 8.25,46 8.25,61.75 0.75,61.75 0.75,44.25 6.25,44.25
GND on Bottom: 38.75,42 36.75,42 36.75,26.25 44.25,26.25 44.25,43.75 38.75,43.75
GND on Bottom: 51.25,64 53.25,64 53.25,79.75 45.75,79.75 45.75,62.25 51.25,62.25
GND on Bottom: 15.25,64 17.25,64 17.25,79.75 9.75,79.75 9.75,62.25 15.25,62.25
(no net) on Top, Bottom: 45.5,0.5 89.5,0.5 89.5,7.5 45.5,7.5
(no net) on Top, Bottom: 0.5,80.5 44.5,80.5 44.5,87.5 0.5,87.5
(no net) on Top, Bottom: 0.5,0.5 44.5,0.5 44.5,7.5 0.5,7.5
(no net) on Top, Bottom: 45.5,80.5 89.5,80.5 89.5,87.5 45.5,87.5

Small or netless copper shapes (teardrops, artwork), in the pictures only: 80 on Top, 40 on Bottom

## Text on the board
B.Silkscreen: Rev.1 2024.02 | F02-P7only | V-CUT -> | P7 | R- | R+ | 12V | PROG | GND
F.Silkscreen: GND | R- | P7 | V-CUT -> | <- V-CUT
